# Altium PCB SmartHaloFF.PcbDoc (part 2 of 4) (continued)
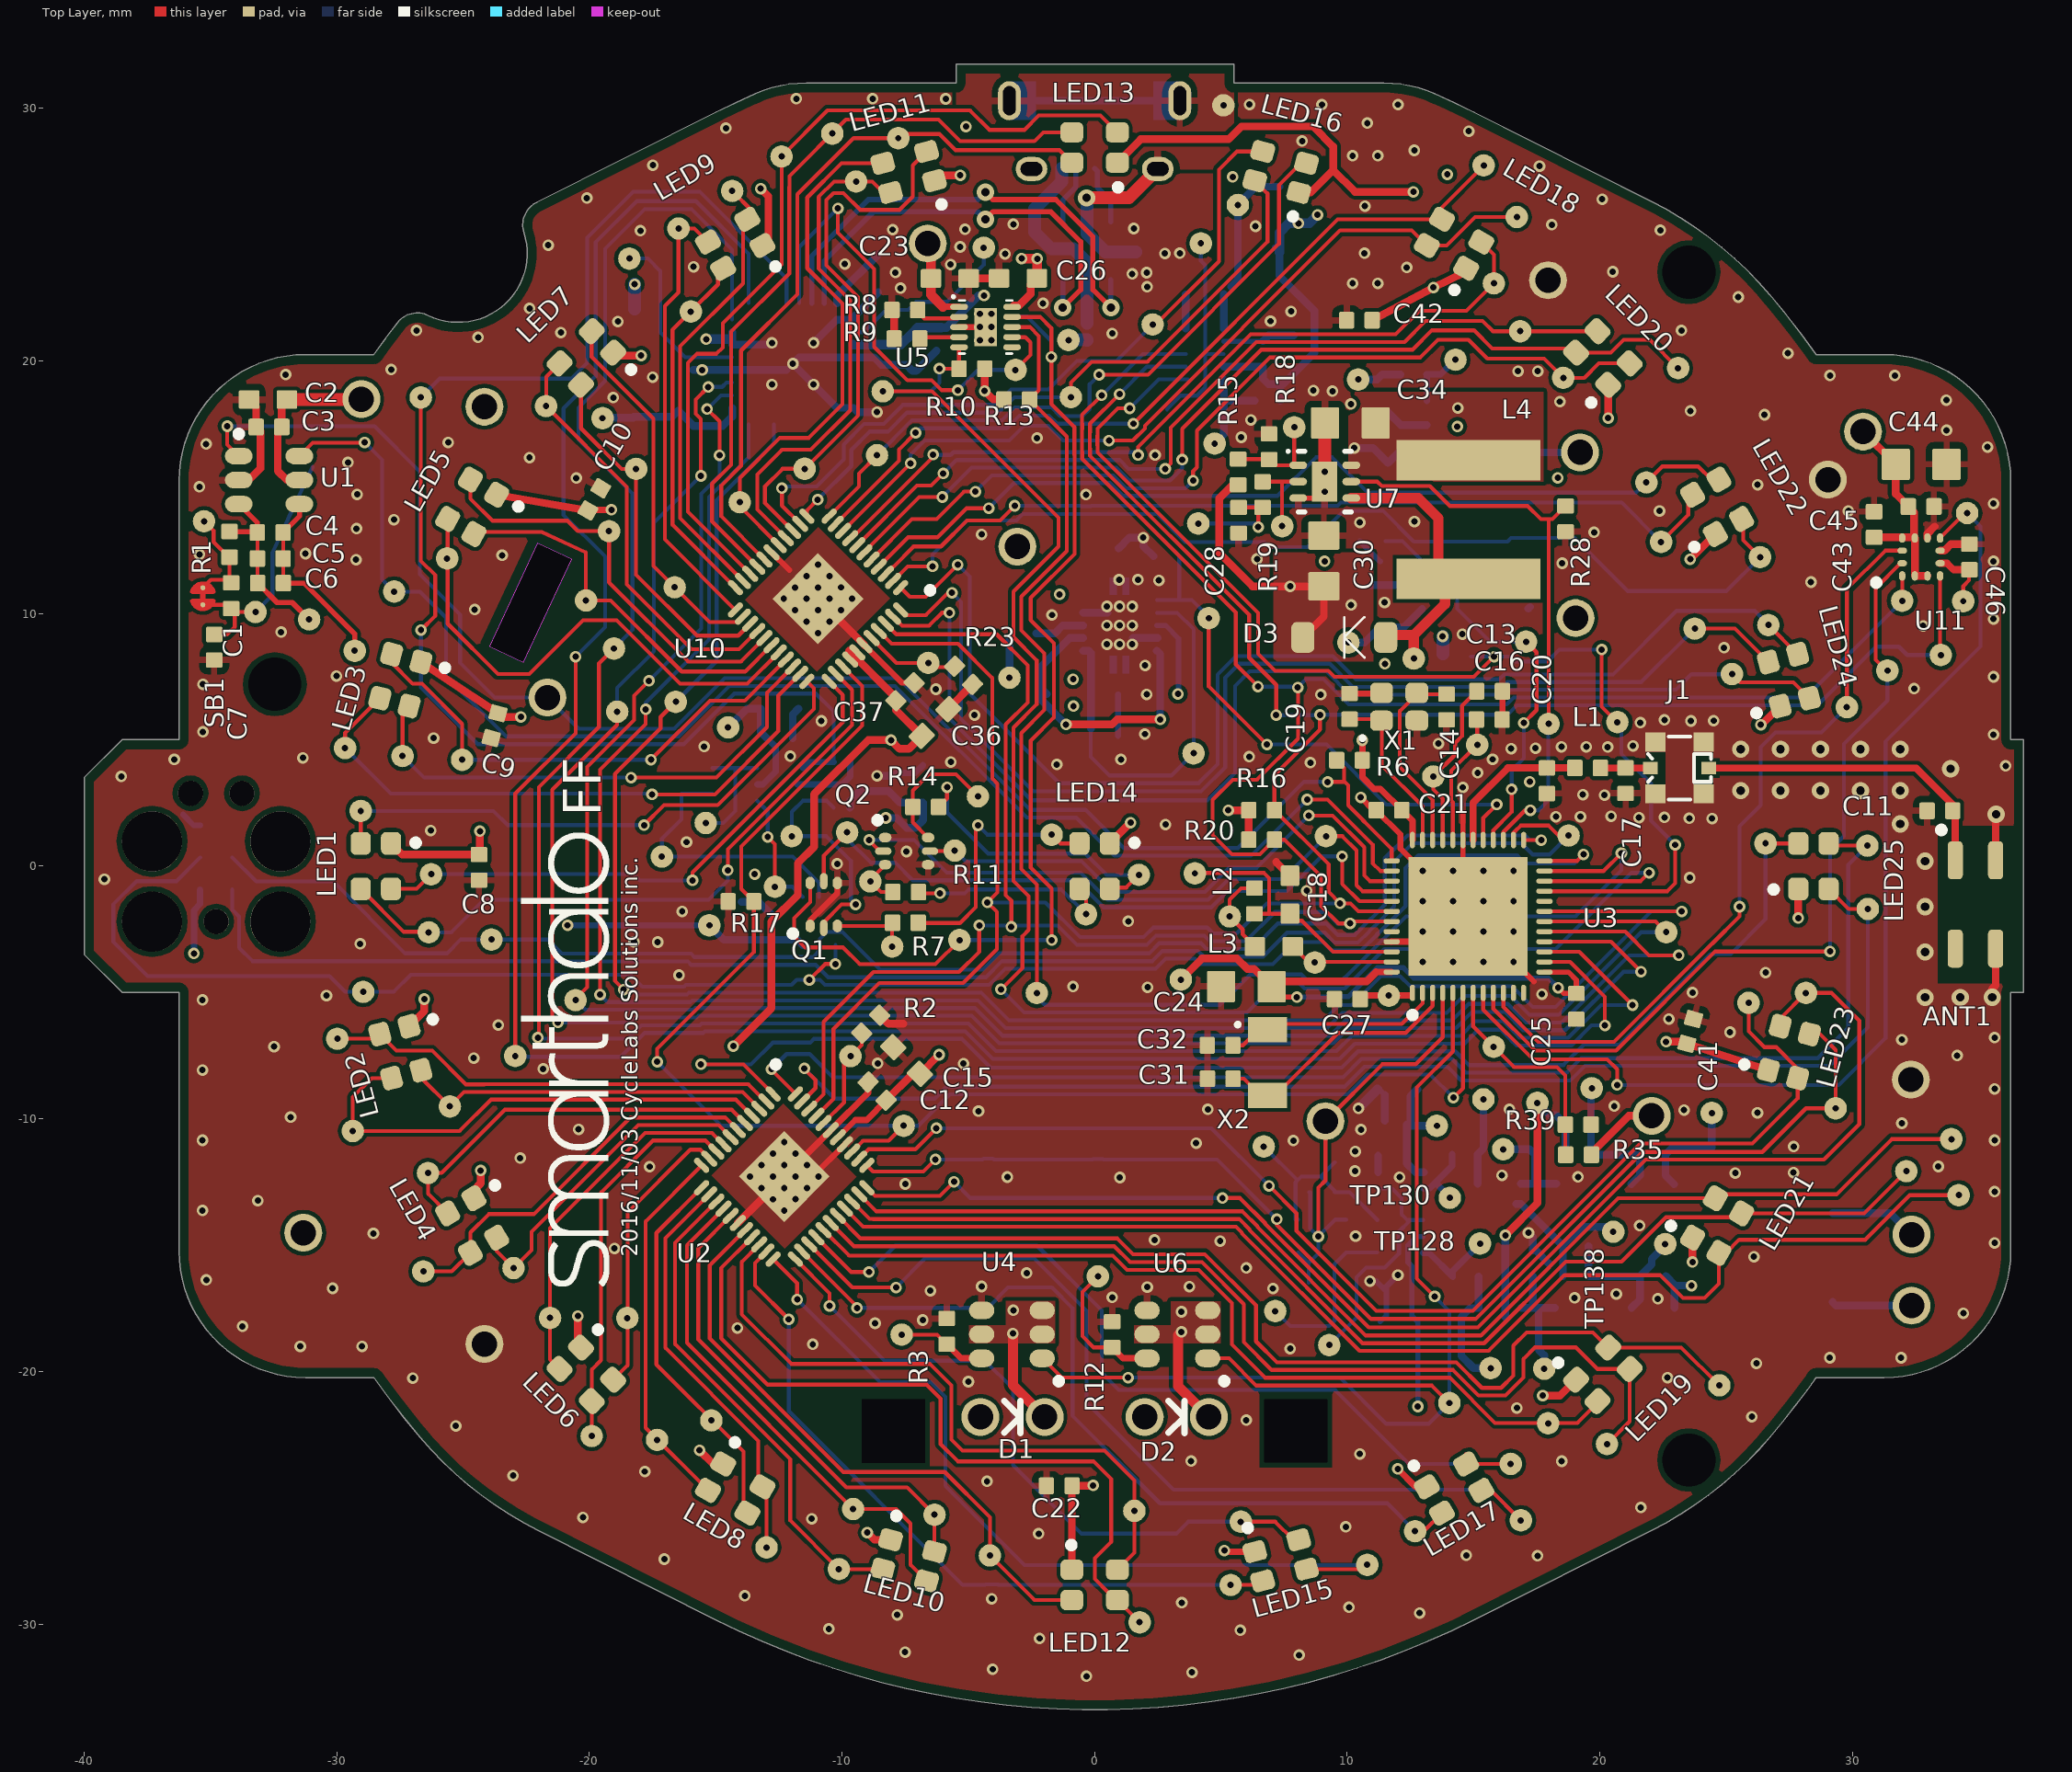
[diagram p0: Top Layer view]
## Nets (pads, with @x,y where several pads share a name; then routed paths per layer and width w, separated by ;. In a path a pad name is that pad's centre, name@x,y a point inside that pad or via, vN(x,y) a via of type N, cw(c..) or ccw(c..) an arc to the next point about the centre after c; other vN are vias at no path point) (continued)
  Top Layer w0.152: TP158.1@3.967,-0.284 3.983,-0.269 6.705,-0.269 6.911,-0.475 6.911,-1.887 L2.1@6.327,-1.887 ; 7,-1.887 7.455,-1.887 7.729,-2.162 8.209,-2.162 9.439,-3.391 U3.46@11.755,-3.391
EN_2_8V: R29.2 TP162.1 U3.28 U12.3 | length 17.4
  Top Layer w0.152: U3.28@15.78,1.034 15.78,1.419 16.505,2.144 v1(16.505,3.04) ; v1(16.988,5.674) 17.49,6.177 17.49,8.471 TP162.1@17.076,8.885
  Bottom Layer w0.152: R29.2@11.511,12.865 12.186,12.865 U12.3@12.968,12.083 13.792,12.083 14.348,11.527 14.348,10.195 15.659,8.885 TP162.1@17.076,8.885 ; v1(16.505,3.04) 16.695,3.04 16.505,2.85 16.505,3.795 16.988,4.277 v1(16.988,5.674)
EN_VLED: R31.2 TP160.1 U3.29 U15.6 | length 21.8
  Top Layer w0.152: TP160.1@4.516,9.817 4.516,7.117 v1(6.817,4.816) ; U3.29@15.38,1.034 15.38,1.906 v1(15.916,2.441)
  Bottom Layer w0.152: U15.6@2.463,10.53 3.854,10.53 TP160.1@4.542,9.842 ; 3.348,10.53 R31.2@3.348,12.263 ; v1(6.817,4.816) 9.177,4.816 11.552,2.441 v1(15.916,2.441)
FRONTLED: TP96.1 U3.5 U4.1 U6.1 | length 45.2
  Top Layer w0.152: U4.1@-2.071,-19.479 -1.304,-20.246 v1(1.326,-20.246) ; U6.1@4.475,-19.483 5.32,-19.483 6.401,-20.564 13.353,-20.564 TP96.1@14.041,-21.252 ; v1(13.459,-17.033) 12.748,-16.322 12.748,-8.76 14.18,-7.328 U3.5@14.18,-5.016
  Bottom Layer w0.152: v1(1.326,-20.246) 9.713,-20.246 11.537,-22.07 13.223,-22.07 TP96.1@14.041,-21.252 14.041,-17.615 v1(13.459,-17.033)
GND: ANT1.3 ANT1.4 C2.2 C3.2 C7.2 C8.2 C9.2 C10.2 C11.1 C12.2 C13.2 C14.2 C15.2 C16.2 C17.1 C18.2 C19.2 C20.1 C21.2 C22.2 C23.2 C24.2 C25.2 C26.2 C27.2 C28.2 C29.2 C30.2 C31.1 C32.1 C33.2 C34.2 C35.2 C36.2 C37.2 C38.2 C39.2 C40.2 C41.2 C42.2 C43.2 C44.2 C45.2 C46.2 C47.2 C48.2 C49.2 C50.2 C51.2 C52.2 C53.2 C54.2 C55.2 C56.2 C57.2 C58.2 C59.2 C60.2 C61.2 C64.1 C65.2 C66.2 C67.2 C68.2 C69.2 C70.2 C71.2 J1.2 J4.0 J6.0 J7.5 NT6.2 Q1.1 Q1.4 Q2.1 Q2.4 Q7.4 Q8.4 R2.2 R3.1 R8.2 R9.2 R12.1 R17.1 R18.1 R23.2 R28.2 R29.1 R31.1 R33.1 R34.1 R37.2 R39.1 R42.2 R43.1 RSENSE1.1 RT1.1 TP2.1 TP5.1 TP6.1 TP9.1 U1.2 U2.17 U2.37 U2.39 U2.45 U3.31 U3.45 U3.49 U4.4 U5.3 U5.11 U6.4 U7.3 U7.7 U8.2 U8.3 U9.2 U10.17 U10.39 U10.45 U11.6 U11.8 U12.2 U13.2 U14.5 U14.7 U15.4 U15.9 U15.11 U16.4 U16.6 U16.7 U16.17 U16.20 U16.24 U16.33 U18.2 U19.2 U20.3 X1.2 X1.4 | length 102.6
  Top Layer w0.203: C15.2@-8.25,-7.165 C15.2@-7.974,-7.165 ; v1(-4.543,21.341) U5.11@-4.318,21.341 ; U7.3@8.058,14.572 U7.7@8.666,14.572 ; U3.49@14.58,-1.791 U3.31@14.58,1.034 14.58,2.031
  Top Layer w0.229: U10.17@-12.788,12.423 -12.09,11.725 ; Q1.1@-11.259,-2.366 -11.259,-2.141 -10.183,-1.065 Q1.4@-10.183,-0.666 ; U2.45@-11.155,-12.286 U2.37@-9.882,-11.013 ; U10.39@-9.111,8.746 -7.626,7.261 C37.2@-7.149,7.261 ; U5.3@-5.368,21.341 v1(-4.543,21.341) ; C19.2@10.086,6.835 X1.4@11.328,6.835 ; v1(10.531,2.72) 11.036,2.215 C21.2@11.146,2.215 12.098,1.262 12.098,0.691 v1(12.98,-0.191) ; C16.2@16.139,5.814 C13.2@16.139,6.924 ; v1(16.58,-3.791) 16.611,-3.791 17.384,-4.565
  Top Layer w0.254: U2.45@-12.286,-12.286 U2.39@-10.448,-10.448 -8.969,-8.969 C12.2@-8.969,-8.548 C12.2@-8.969,-8.486 ; U3.45@11.755,-2.991 U3.49@13.78,-2.991
  Top Layer w0.305: U1.2@-33.878,15.285 -33.482,15.285 -33.023,15.743 -33.023,17.219 C3.2@-33.19,17.386 -33.19,18.191 C2.2@-33.47,18.471 ; U2.17@-14.124,-14.124 U2.45@-12.286,-12.286 ; U10.45@-10.95,10.584 U10.39@-9.111,8.746 ; R2.2@-8.505,-5.895 -8.16,-6.241 -7.577,-6.241 ; R9.2@-7.935,20.881 R8.2@-7.935,21.93 ; C36.2@-5.783,6.24 R23.2@-4.826,7.196 ; C23.2@-5.179,23.459 C23.2@-4.983,23.264 -3.79,23.264 C26.2@-3.782,23.271 ; U5.11@-4.318,21.341 U5.11@-4.173,21.486 ; C28.2@5.697,13.188 C28.2@5.799,13.086 ; 7.186,0.164 C18.2@7.732,-0.381 ; U11.8@32.965,12.99 32.965,13.165 33.249,13.449 ; U11.6@33.465,12.49 33.635,12.49 33.896,12.751 C46.2@34.623,12.751 ; v2(35.527,-5.194) 35.527,-4.862 35.664,-4.724 ANT1.3@35.664,-3.266 ; ANT1.4@35.664,0.234 v2@35.664,2.036
  Top Layer w0.508: U7.7@9.108,15.222 C34.2@9.108,17.534
  Bottom Layer w0.203: U14.7@5.108,20.773 C51.2@6.648,20.773 ; C29.2@11.199,-8.839 C29.2@11.272,-8.839 C29.2@11.481,-9.048 ; C40.2@11.298,-18.034 11.548,-17.784 C38.2@11.548,-16.834
  Bottom Layer w0.229: -36.083,2.042 -35.657,1.615 J7.5@-35.405,1.615 ; C55.2@0.932,5.159 C53.2@0.932,6.805 ; R29.1@10.495,12.865 11.298,12.062 ; v1(10.899,-16.424) 11.138,-16.424 C38.2@11.548,-16.834 11.548,-16.641 v1(12.004,-16.185)
  Bottom Layer w0.254: U19.2@-11.775,3.236 U19.2@-11.554,3.236 -9.987,3.236 -9.681,3.542 U18.2@-9.681,4.12 ; C65.2@-7.971,3.576 C65.2@-7.862,3.686 -7.113,3.686 C66.2@-6.79,4.008
  Bottom Layer w0.305: -15.894,19.641 U16.4@-14.348,19.641 U16.33@-12.198,19.641 ; U16.7@-14.348,21.141 U16.6@-14.348,20.641 U16.33@-12.698,20.641 ; C70.2@-13.974,-1.417 -13.289,-1.417 C69.2@-12.837,-1.869 ; C67.2@-11.948,5.057 -11.948,6.01 C68.2@-11.722,6.236 ; v1(-11.123,20.716) -10.203,21.636 -9.548,21.636 U16.17@-9.548,21.641 -9.548,21.729 C57.2@-8.562,22.715 ; v1(-8.611,3.576) C65.2@-7.971,3.576 ; v1(-8.611,17.973) -9.38,17.973 U16.24@-9.548,18.141 -9.548,18.146 -10.203,18.146 v1(-11.123,19.066) v1(-11.948,19.891) -11.698,20.141 U16.20@-9.548,20.141 -8.734,20.141 C58.2@-8.44,19.848 -7.452,19.848 C56.2@-7.214,19.609 -7.056,19.609 -6.256,20.409 ; U15.4@-0.462,10.03 U15.11@0.513,10.03 ; C54.2@0.95,12.578 1.377,13.005 v1(1.925,13.005) 1.925,12.67 R31.1@2.332,12.263 ; U15.11@1.513,9.03 U15.9@2.488,9.03 ; U14.5@3.608,21.273 RSENSE1.1@3.608,22.64 ; C51.2@6.665,20.79 6.881,21.006 C50.2@7.884,21.006 ; C48.2@10.937,11.107 10.963,11.133 U12.2@12.968,11.133 ; U8.2@11.222,-12.112 U8.3@11.222,-11.465 ; C33.2@11.481,-10.079 C29.2@11.481,-9.048 ; C52.2@11.612,17.966 12.113,17.466 U13.2@13.148,17.466 ; v1(17.172,-14.514) 17.343,-14.685 R42.2@17.343,-15.217 ; R42.2@17.412,-15.154 17.998,-15.74
  Bottom Layer w0.381: v1(-15.377,20.864) -14.389,20.864 ; v1(10.444,-9.594) C29.2@11.199,-8.839
  other v1: -0.323,-32.07 3.856,-31.915 -4.036,-31.791 8.095,-31.234 -7.501,-31.11 -2.177,-30.571 5.763,-30.249 -10.521,-30.193 -7.816,-29.639 12.86,-29.563 10.066,-29.337 3.449,-29.157 -4.074,-29.004 -13.846,-28.882 -17.031,-27.432 17.531,-27.302 14.712,-27.28 -2.215,-26.429 9.944,-26.152 -11.199,-25.834 -20.254,-25.778 21.615,-25.385 -4.26,-24.354 -23.017,-24.127 -17.805,-23.965 3.818,-23.553 18.486,-23.556 10.495,-23.269 -25.288,-22.159 6.005,-21.928 26.01,-21.796 16.713,-21.448 -4.996,-20.406 -26.985,-20.269 22.677,-20.244 26.198,-19.68 29.098,-19.459 31.92,-19.459 7.737,-19.103 -31.443,-19.009 -28.999,-19.009 -11.158,-18.931 -14.14,-18.283 -33.731,-18.217 -8.692,-18.095 -6.807,-17.968 34.384,-17.696 22.291,-17.122 18.994,-17.087 0.699,-17.071 20.648,-16.937 -6.5,-16.807 -30.162,-16.711 7.056,-16.721 2.083,-16.665 -4.473,-16.64 3.754,-16.645 -35.161,-16.375 -2.69,-16.104 5.999,-15.903 26.093,-15.461 -19.004,-15.136 35.626,-14.915 4.968,-14.844 2.367,-14.795 10.328,-14.646 -28.55,-14.544 21.575,-14.229 -35.319,-13.631 -12.286,-13.641 -33.119,-13.244 -12.738,-13.189 -11.834,-13.189 35.626,-12.883 -11.383,-12.738 -13.189,-12.738 -12.286,-12.737 -7.496,-12.581 -3.457,-12.306 0.996,-12.324 12.07,-12.311 -13.641,-12.286 -12.737,-12.286 -11.835,-12.286 -10.931,-12.286 19.136,-12.304 16.124,-12.24 25.359,-12.151 27.658,-12.131 10.305,-12.07 -17.617,-11.897 33.396,-11.887 -13.189,-11.834 -12.286,-11.835 -11.383,-11.834 -22.741,-11.554 -12.738,-11.383 -11.834,-11.383 10.317,-11.29 27.666,-11.102 4.016,-10.965 -12.286,-10.931 7.864,-10.866 -35.319,-10.851 35.626,-10.851 10.538,-10.429 -20.429,-10.417 31.951,-10.176 -31.826,-9.934 26.236,-9.761 -4.597,-9.7 23.332,-9.652 4.483,-9.627 16.424,-9.624 20.566,-9.502 35.626,-8.819 -35.319,-8.071 -21.829,-8.021 -5.189,-7.816 -8.588,-7.805 -24.577,-7.597 34.143,-7.493 -32.482,-7.142 31.951,-6.868 35.626,-6.787 25.149,-6.574 -23.607,-6.292 22.728,-6.053 -35.319,-5.291 -30.406,-5.126 17.706,-5.065 23.665,-5.001 2.098,-4.798 -0.856,-4.765 -16.447,-4.315 26.558,-4.211 12.98,-3.791 14.18,-3.791 15.38,-3.791 -29.073,-3.073 -18.232,-2.995 -17.295,-3.005 12.98,-2.591 14.18,-2.591 15.38,-2.591 16.58,-2.591 1.333,-2.184 -16.327,-1.791 12.98,-1.391 14.18,-1.391 15.38,-1.391 16.58,-1.391 8.395,-0.97 -39.197,-0.518 23.556,-0.457 -13.454,-0.318 14.18,-0.191 15.38,-0.191 16.58,-0.191 -10.185,0.094 -7.45,0.579 -16.154,0.953 -26.276,1.415 2.804,1.646 24.44,1.882 23.539,1.895 21.545,1.925 22.558,1.928 18.263,1.958 19.228,1.956 20.447,1.979 19.322,2.832 20.183,2.814 14.577,3.119 17.224,3.343 -38.532,3.548 15.161,3.698 36.058,3.967 -1.494,4.026 8.539,4.094 -5.69,4.127 -36.431,4.227 1.039,4.224 15.753,4.229 -31.339,4.285 -12.047,4.348 6.116,4.333 16.482,4.651 17.45,4.669 -15.458,4.732 18.479,4.722 19.459,4.724 20.31,4.714 21.306,4.76 13.609,4.849 -26.165,5.07 35.58,5.21 1.989,5.23 -35.293,5.314 21.598,5.685 -10.815,5.748 23.599,5.748 24.501,5.758 22.558,5.794 -4.757,5.982 8.948,6.789 2.06,6.797 -6.284,7.005 32.436,7.026 -35.293,7.198 35.58,7.496 -30.013,7.531 1.994,7.943 11.491,8.009 24.915,8.649 0.488,8.78 0.988,8.78 1.488,8.78 14.557,9.185 -10.95,9.229 -32.2,9.263 32.794,9.51 0.488,9.53 0.988,9.53 1.488,9.53 -11.402,9.681 -10.498,9.681 35.58,9.783 -1.689,9.944 -11.853,10.132 -10.95,10.133 -10.047,10.132 -24.536,10.16 0.488,10.28 0.988,10.28 1.488,10.28 11.476,10.437 -12.305,10.584 -11.401,10.584 -10.499,10.584 -9.595,10.584 -11.853,11.036 -10.95,11.035 -10.047,11.036 28.349,11.245 2.543,11.311 0.965,11.336 1.717,11.341 -11.402,11.487 -10.498,11.487 -10.95,11.939 18.509,11.991 9.103,12.068 35.58,12.069 -29.238,12.131 6.426,12.156 -23.452,12.306 -35.433,12.342 -31.237,12.373 -4.473,13.137 19.769,13.218 -29.22,13.36 10.5,13.604 12.659,13.642 -27.737,13.719 22.36,14.064 29.837,14.064 35.58,14.356 -29.19,14.719 -0.34,14.709 9.108,14.822 -35.433,15.016 26.241,15.1 -20.521,15.364 9.108,15.622 -29.555,15.98 -22.37,16.175 2.393,16.276 35.342,16.591 -35.166,16.713 -25.588,16.777 -2.283,16.944 5.804,16.98 33.724,17.257 14.356,17.402 6.185,17.668 26.518,17.871 23.584,18.024 10.145,18.293 18.412,18.39 33.713,18.445 -19.05,18.547 9.416,18.801 8.656,18.829 -12.773,19.066 -17.493,19.36 29.106,19.421 31.676,19.421 -32.019,19.459 16.761,19.596 17.541,19.596 -15.535,19.642 -27.843,19.657 27.44,20.307 -12.773,20.716 -4.543,20.816 -4.093,20.816 -24.402,20.935 0.693,21.087 -21.128,21.128 -26.84,21.209 23.228,21.209 -4.093,21.341 -18.875,21.562 6.962,21.575 -4.543,21.866 -4.093,21.866 7.777,21.961 -22.367,22.083 -2.045,22.281 25.476,22.53 -7.689,22.878 2.08,22.934 10.21,23.075 11.21,23.075 1.488,23.442 -7.889,23.503 2.06,23.495 20.508,23.531 12.357,23.698 -15.878,23.724 -9.886,23.835 -5.705,23.82 -3.548,24.239 2.779,24.257 3.373,24.265 10.678,24.262 -5.324,24.514 -21.626,24.58 -17.981,25.154 22.388,25.171 -7.993,25.197 -5.126,25.212 1.554,25.243 6.363,25.334 -3.218,25.41 18.095,25.395 10.701,26.129 20.091,26.406 -20.102,26.449 5.461,27.287 17.61,27.714 -17.485,27.749 10.21,28.125 11.21,28.125 12.654,28.336 8.209,28.705 14.811,29.096 -14.597,29.215 -5.093,29.279 10.792,29.416 6.126,30.15 8.994,30.147 12.012,30.147 -11.806,30.378 -8.788,30.378 -5.89,30.376
  other v2: 32.872,-5.197 34.266,-5.197 32.872,-3.398 32.872,-1.6 32.872,0.199 31.888,1.676 35.68,2.052 25.571,2.992 27.15,2.992 28.729,2.992 30.308,2.992 31.888,2.992 33.88,3.852 25.571,4.63 27.15,4.63 28.729,4.63 30.308,4.63 31.888,4.63
INT_1_XL: TP64.1 U3.9 U11.12 | length 33.3
  Top Layer w0.152: U3.9@15.78,-5.016 15.78,-5.643 17.44,-7.302 20.64,-7.302 24.567,-3.376 v1(29.108,-3.376) ; TP64.1@31.36,7.723 30.912,8.171 30.912,11 31.902,11.99 U11.12@31.965,11.99
  Bottom Layer w0.152: v1(29.108,-3.376) 29.108,0.64 29.657,1.189 29.657,4.834 31.379,6.556 TP64.1@31.379,7.742
INT_2_XL: TP65.1 U3.10 U11.11 | length 31.1
  Top Layer w0.152: U3.10@16.18,-5.016 16.18,-5.574 17.558,-6.952 20.56,-6.952 24.441,-3.071 24.445,-3.071 25.527,-1.989 v1(25.527,-1.605) ; TP65.1@29.774,6.294 29.774,10.97 31.294,12.49 U11.11@31.965,12.49
  Bottom Layer w0.152: v1(25.527,-1.605) 25.527,1.575 26.363,2.41 26.363,4.712 26.942,5.291 28.771,5.291 TP65.1@29.774,6.294
INT_MAG: TP75.1 U3.8 U11.7 | length 43
  Top Layer w0.152: U3.8@15.38,-5.016 15.38,-5.675 17.348,-7.643 20.284,-7.643 20.681,-8.039 v1(20.681,-8.661) ; U11.7@33.465,12.99 34.452,13.978 TP75.1@34.536,13.978
  Bottom Layer w0.152: v1(20.681,-8.661) 29.451,-8.661 31.303,-6.81 31.303,4.93 35.065,8.692 35.065,13.449 TP75.1@34.536,13.978
ISET: R8.1 U5.2 | length 1.8
  Top Layer w0.152: R8.1@-7.042,21.98 -6.747,21.685 -5.424,21.685 U5.2@-5.368,21.741
NetC1_2: C1.2 R1.2 SB1.1 TP141.1 | length 3.9
  Top Layer w0.152: SB1.1@-35.301,11.021 -34.983,11.339 -34.244,11.339 R1.2@-34.244,12.23 -34.267,12.23 -34.877,12.84 -34.877,13.279 TP141.1@-35.25,13.652
NetC20_2: C20.2 L1.1 U3.30 | length 6.1
  Top Layer w0.285: U3.30@14.98,1.034 14.98,2.511 16.358,3.889 L1.1@19.007,3.889
NetC28_1: C28.1 R19.2 TP166.1 | length 4.2
  Top Layer w0.152: C28.1@5.697,14.204 R19.2@6.645,14.204 ; v1(6.477,13.426) R19.2@6.477,14.191 ; R19.2@6.647,14.201 R19.2@6.68,14.201
  Bottom Layer w0.152: TP166.1@4.102,13.564 6.34,13.564 v1(6.477,13.426)
NetC35_1: C35.1 D4.3 R24.1 TP126.1 U9.3 | length 8.3
  Bottom Layer w0.152: TP126.1@6.693,-11.097 8.032,-12.436 ; D4.3@8.055,-13.992 7.953,-13.992 7.953,-12.516 8.032,-12.436 ; C35.1@9.499,-11.73 8.941,-12.289 ; R24.1@9.502,-12.903 10.087,-12.903 U9.3@11.192,-14.009 ; R24.1@9.502,-12.85 8.941,-12.289 ; 8.032,-12.436 8.18,-12.289 8.941,-12.289
NetC39_1: C39.1 D4.5 R27.1 TP127.1 U9.1 | length 6.8
  Bottom Layer w0.152: TP127.1@7.148,-17.615 7.739,-18.207 9.284,-18.207 9.502,-17.988 C39.1@9.502,-17.526 ; C39.1@9.49,-17.514 R27.1@9.49,-16.491 9.49,-15.756 D4.5@9.955,-15.292 U9.1@11.18,-15.292
NetC46_1: C46.1 TP76.1 U11.5 | length 2.6
  Top Layer w0.152: TP76.1@34.381,10.49 34.381,11.082 34.613,11.313 34.613,11.725 C46.1@34.623,11.735
  Top Layer w0.279: U11.5@33.465,11.99 33.75,11.99 34.006,11.735 C46.1@34.623,11.735
NetC61_1: C61.1 R38.2 TP169.1 U14.10 | length 3.9
  Bottom Layer w0.305: TP169.1@4.75,16.728 5.108,17.087 C61.1@5.108,18.047 U14.10@5.108,19.273 ; 5.174,18.428 R38.2@6.342,18.428
NetC62_1: C62.1 Q5.1 Q5.2 Q5.5 Q5.6 R22.1 TP138.1 | length 6.1
  Bottom Layer w0.305: 16.683,-13.378 16.878,-13.378 C62.1@18.537,-15.037 ; R22.1@18.537,-16.233 C62.1@18.537,-15.037 ; TP138.1@20.528,-14.473 20.34,-14.285 19.256,-14.285 18.537,-15.004 C62.1@18.537,-15.037
NetC62_2: C62.2 Q3.3 R5.1 R22.2 TP134.1 | length 6.3
  Bottom Layer w0.152: R22.2@19.553,-16.233 R22.2@19.558,-16.238
  Bottom Layer w0.305: R22.2@19.553,-16.233 C62.2@19.553,-15.037 ; R22.2@19.558,-16.238 R5.1@21.59,-16.238 ; Q3.3@21.248,-17.486 21.59,-17.144 R5.1@21.59,-16.238 ; TP134.1@22.583,-14.961 22.583,-15.019 22.05,-15.552 22.05,-15.766 21.59,-16.226 R5.1@21.59,-16.238
NetC63_1: C63.1 Q6.1 Q6.2 Q6.5 Q6.6 R25.1 TP132.1 | length 11.7
  Top Layer w0.305: v1(16.256,-14.61) 17.534,-13.332 TP132.1@17.534,-9.37
  Bottom Layer w0.305: 16.256,-17.859 v1(16.256,-14.61) ; TP132.1@17.523,-9.37 18.01,-9.856 18.256,-9.856 C63.1@18.633,-10.234 R25.1@18.633,-11.42
NetC63_2: C63.2 Q4.3 R21.1 R25.2 TP135.1 | length 5.9
  Bottom Layer w0.305: C63.2@19.647,-10.236 R25.2@19.647,-11.422 R21.1@21.58,-11.422 21.58,-12.249 Q4.3@21.238,-12.591 ; C63.2@19.649,-10.234 19.649,-8.819 TP135.1@19.677,-8.791
NetC64_2: C64.2 R26.1 TP154.1 U20.2 | length 11.2
  Bottom Layer w0.152: R26.1@-15.131,2.863 C64.2@-16.358,2.863 -16.358,1.857 -17.13,1.085 TP154.1@-17.13,0.378 -11.951,0.378 -10.908,-0.664 U20.2@-10.908,-1.222
NetD1_2: D1.2 U4.2 U4.3 U4.5 | length 3.8
  Top Layer w0.406: v1(-3.236,-18.496) -3.236,-20.547 D1.2@-1.98,-21.803
  other v1: -3.216,-17.579
NetD2_2: D2.2 U6.2 U6.3 U6.5 | length 3.7
  Top Layer w0.406: v1@3.299,-18.572 3.299,-20.582 D2.2@4.52,-21.803
  other v1: 3.434,-18.438 3.434,-17.64
NetD3_2: D3.2 L4.2 TP172.1 U7.4 | length 12.1
  Top Layer w0.406: U7.4@10.158,14.57 12.812,14.57 13.609,13.772 L4.2@13.609,11.61 ; D3.2@11.519,9.073 11.598,9.152 12.647,9.152 13.866,10.371 13.866,11.402 L4.2@13.47,11.402 ; TP172.1@12.631,8.219 12.631,9.136 ; L4.2@12.67,11.613 12.881,11.402 L4.2@13.47,11.402 ; L4.2@13.495,11.376 L4.2@13.47,11.402
NetJ4_1: J4.1 RSENSE1.2 TP173.1 U14.6 | length 6.7
  Bottom Layer w0.305: U14.6@5.108,21.273 RSENSE1.2@5.108,22.644 ; RSENSE1.2@5.41,22.946 5.669,23.205 5.669,26.185 6.384,26.9 J4.1@7.31,26.9
NetL2_2: L2.2 L3.1 TP159.1 | length 3.4
  Top Layer w0.152: L2.2@6.327,-0.871 5.796,-0.871 5.344,-1.323 TP159.1@5.344,-1.991 5.86,-2.507 5.86,-2.698 L3.1@6.342,-3.18
NetL3_2: L3.2 TP168.1 U3.47 | length 4.2
  Top Layer w0.152: L3.2@7.841,-3.18 8.452,-3.791 8.712,-3.791 U3.47@11.755,-3.791
NetL5_2: L5.2 TP174.1 U15.3 | length 3.5
  Bottom Layer w0.305: TP174.1@-3.373,7.46 L5.2@-3.373,9.007 ; L5.2@-2.307,9.214 -1.583,9.214 -1.267,9.53 U15.3@-0.462,9.53
NetQ1_3: Q1.3 R7.1 TP112.1 | length 3
  Top Layer w0.152: Q1.3@-10.183,-2.366 R7.1@-8.127,-2.366 ; TP112.1@-8.016,-3.185 R7.1@-8.016,-2.256
NetQ2_3: Q2.3 R11.1 TP113.1 | length 2
  Top Layer w0.152: Q2.3@-8.292,0.056 -8.877,-0.529 TP113.1@-8.877,-0.605 -8.456,-1.026 R11.1@-7.991,-1.026
NetQ2_6: Q2.6 R14.1 TP110.1 | length 5.3
  Top Layer w0.152: Q2.6@-6.592,1.132 -7.196,1.736 R14.1@-7.196,2.342 -7.196,2.992 -6.556,3.632 -5.486,3.632 TP110.1@-4.618,2.764
NetQ5_3: Q5.3 R40.1 TP137.1 | length 3.4
  Bottom Layer w0.305: Q5.3@15.165,-12.571 R40.1@15.164,-11.402 15.387,-11.179 TP137.1@15.387,-9.23
NetQ5_4: Q5.4 Q8.3 R43.2 TP136.1 | length 3.9
  Bottom Layer w0.305: TP136.1@16.172,-11.206 17.216,-11.206 R43.2@17.429,-11.42 17.429,-12.543 ; Q5.4@16.865,-12.571 Q8.3@18.271,-12.571
NetQ6_3: Q6.3 R41.1 TP131.1 | length 5
  Bottom Layer w0.305: Q6.3@15.188,-17.493 14.864,-17.493 14.514,-17.843 14.514,-19.388 14.996,-19.87 TP131.1@15.672,-19.87 ; Q6.3@15.194,-17.487 R41.1@15.194,-16.248
NetQ6_4: Q6.4 Q7.3 R42.1 TP133.1 | length 5.1
  Bottom Layer w0.305: Q6.4@16.893,-17.488 17.574,-17.488 ; 17.343,-17.471 R42.1@17.343,-16.233 ; TP133.1@17.795,-19.896 17.795,-19.362 17.574,-19.141 17.574,-17.488 ; Q7.3@18.215,-17.488 17.574,-17.488
NetR2_1: R2.1 TP157.1 U2.40 | length 4.2
  Top Layer w0.152: U2.40@-10.73,-10.165 -9.921,-9.356 -9.921,-7.78 TP157.1@-9.662,-7.521 -9.224,-7.083 R2.1@-9.224,-6.614
NetR3_2: R3.2 TP97.1 U4.6 | length 3.6
  Top Layer w0.152: TP97.1@-7.638,-18.545 -6.233,-18.545 R3.2@-5.858,-18.92
  Top Layer w0.254: R3.2@-5.858,-18.92 -5.295,-19.483 U4.6@-4.475,-19.483
NetR4_1: R4.1 TP175.1 U13.3 | length 2.4
  Bottom Layer w0.254: R4.1@13.129,19.469 13.701,19.469 TP175.1@14.282,20.051 ; U13.3@13.148,18.416 R4.1@13.148,19.45
NetR12_2: R12.2 TP98.1 U6.6 | length 5.5
  Top Layer w0.152: TP98.1@0.13,-16.238 -0.488,-16.855 -0.488,-18.605 -0.042,-19.051 R12.2@0.692,-19.051
  Top Layer w0.254: R12.2@0.692,-19.051 1.123,-19.483 U6.6@2.075,-19.483
NetR15_1: R15.1 R18.2 TP179.1 U7.1 | length 4
  Top Layer w0.152: R15.1@5.679,16.111 6.645,16.111 6.884,15.872 U7.1@8.058,15.872 ; U7.1@7.899,15.867 TP179.1@7.899,17.376
NetR19_1: R19.1 TP170.1 U7.2 | length 3.2
  Top Layer w0.152: R19.1@6.645,15.298 R19.1@6.647,15.298 ; R19.1@6.647,15.222 U7.2@8.058,15.222 ; TP170.1@7.422,13.459 7.422,15.222
NetR23_1: R23.1 TP156.1 U10.40 | length 3.8
  Top Layer w0.152: U10.40@-8.829,9.029 -7.844,8.044 TP156.1@-6.586,8.044 -6.421,7.879 R23.1@-5.545,7.879
NetR26_2: R26.2 TP153.1 U19.6 | length 4.8
  Bottom Layer w0.152: TP153.1@-15.392,1.709 -14.704,1.709 -14.229,2.184 -14.229,3.884 ; R26.2@-15.126,3.884 -14.229,3.884 ; U19.6@-13.358,3.884 -14.229,3.884
NetR34_2: R34.2 TP177.1 U14.8 | length 8.4
  Bottom Layer w0.152: R34.2@2.87,18.082 3.416,18.628 4.056,18.628 4.381,18.953 4.381,23.795 4.204,23.973 TP177.1@4.204,24.656 ; 4.381,20.241 4.413,20.273 U14.8@5.108,20.273
NetTP129_1: TP129.1 U8.1 U9.4 | length 9.4
  Bottom Layer w0.152: TP129.1@9.286,-18.956 10.366,-17.877 10.366,-16.276 10.747,-15.895 11.486,-15.895 12.047,-15.334 12.047,-14.463 12.438,-14.072 12.154,-13.787 12.154,-13.137 11.777,-12.76 U8.1@11.222,-12.76 ; 12.375,-14.009 U9.4@12.996,-14.009
NetTP155_1: TP155.1 U19.4 U20.1 | length 5
  Top Layer w0.152: v1(-12.941,1.156) -12.654,0.869 TP155.1@-12.654,-0.815
  Bottom Layer w0.152: U19.4@-13.358,2.588 -12.941,2.172 v1(-12.941,1.156) ; TP155.1@-12.654,-0.815 -11.965,-0.815 U20.1@-11.558,-1.222
OUT1: LED25.2 TP56.1 U2.43 | length 52.5
  Top Layer w0.152: U2.43@-11.579,-9.316 -11.049,-8.786 -11.049,-8.466 -11.488,-8.027 v1(-11.488,-8.009) ; LED25.2@29.05,-0.9 29.846,-1.694 TP56.1@30.604,-1.694
  Bottom Layer w0.152: v1(-11.488,-8.009) -10.295,-9.202 -6.332,-9.202 -5.86,-8.73 9.889,-8.73 10.682,-7.937 13.962,-7.937 14.505,-8.481 18.829,-8.481 19.406,-7.904 29.083,-7.904 30.604,-6.383 TP56.1@30.604,-1.694
OUT2: LED25.3 TP57.1 U2.44 | length 54.9
  Top Layer w0.152: v1(-12.791,-8.034) -12.791,-8.068 U2.44@-11.844,-9.016 ; LED25.3@29.137,0.813 TP57.1@30.587,0.813
  Bottom Layer w0.152: v1(-12.791,-8.034) -12.195,-7.437 -11.283,-7.437 -10.363,-8.357 9.832,-8.357 10.555,-7.633 14.143,-7.633 14.686,-8.176 18.689,-8.176 19.265,-7.6 28.628,-7.6 29.83,-6.398 29.83,0.056 TP57.1@30.587,0.813
OUT3: LED25.4 TP58.1 U2.1 | length 53.6
  Top Layer w0.152: v1(-15.588,-7.844) -13.9,-7.844 U2.1@-12.728,-9.016 ; TP58.1@26.555,0.9 LED25.4@27.85,0.9
  Bottom Layer w0.152: v1(-15.588,-7.844) -13.602,-7.844 -12.743,-6.985 -11.257,-6.985 -11.11,-6.838 -5.248,-6.838 -4.112,-7.973 9.784,-7.973 10.429,-7.328 14.269,-7.328 14.813,-7.871 18.562,-7.871 19.365,-7.069 20.777,-7.069 24.369,-3.477 25.177,-3.477 26.555,-2.1 TP58.1@26.555,0.9
OUT4: LED2.2 TP23.1 U2.2 | length 17.9
  Top Layer w0.152: TP23.1@-29.977,-6.833 LED2.2@-28.476,-6.833 ; LED2.2@-28.293,-6.65 -27.638,-7.305 -26.22,-7.305 -24.887,-8.639 -24.154,-8.639 -24.146,-8.631 -13.708,-8.631 -13.023,-9.316 U2.2@-12.993,-9.316
OUT5: LED2.4 TP25.1 U2.3 | length 14.7
  Top Layer w0.152: LED2.4@-26.669,-8.078 -26.669,-8.366 TP25.1@-25.524,-9.51 -24.958,-8.943 -24.028,-8.943 -24.02,-8.936 -13.939,-8.936 U2.3@-13.276,-9.599
OUT6: LED2.3 TP24.1 U2.4 | length 19.8
  Top Layer w0.152: LED2.3@-27.828,-8.389 -28.615,-8.389 -29.365,-9.139 TP24.1@-29.365,-10.485 -25.138,-10.485 -23.894,-9.241 -14.2,-9.241 U2.4@-13.559,-9.882
OUT7: LED4.2 TP26.1 U2.5 | length 15.7
  Top Layer w0.152: LED4.2@-25.609,-13.746 -26.386,-12.969 TP26.1@-26.386,-12.146 -25.847,-12.146 -23.343,-9.642 -14.364,-9.642 U2.5@-13.842,-10.165
OUT8: LED4.3 TP27.1 U2.6 | length 15.6
  Top Layer w0.152: TP27.1@-26.571,-16.04 -25.444,-16.04 LED4.3@-24.709,-15.304 -24.709,-14.5 -23.983,-13.774 -22.195,-13.774 -18.367,-9.947 -14.625,-9.947 U2.6@-14.124,-10.448
OUT9: LED4.4 TP28.1 U2.7 | length 13
  Top Layer w0.152: LED4.4@-23.669,-14.704 -23.669,-15.241 TP28.1@-23,-15.911 -22.288,-15.199 -22.288,-14.47 -18.07,-10.251 -14.886,-10.251 U2.7@-14.407,-10.73
OUT10: LED6.2 TP29.1 U2.8 | length 14.4
  Top Layer w0.152: LED6.2@-21.179,-19.905 -21.557,-19.527 -21.557,-14.323 -17.79,-10.556 -15.147,-10.556 U2.8@-14.69,-11.013
OUT11: LED6.3 TP30.1 U2.9 | length 15.4
  Top Layer w0.152: TP30.1@-19.906,-22.558 LED6.3@-19.906,-21.178 -19.906,-19.926 -19.54,-19.561 -19.54,-12.918 -17.483,-10.861 -15.408,-10.861 U2.9@-14.973,-11.296
OUT12: LED6.4 TP31.1 U2.10 | length 11.3
  Top Layer w0.152: LED6.4@-19.057,-20.329 -18.486,-19.758 -18.486,-13.708 -16.002,-11.224 -15.61,-11.224 U2.10@-15.256,-11.579
OUT13: LED8.2 TP32.1 U2.11 | length 14.8
  Top Layer w0.152: U2.11@-15.556,-11.844 -17.777,-14.065 -17.777,-22.236 LED8.2@-15.304,-24.709
OUT14: LED8.3 TP33.1 U2.12 | length 15.1
  Top Layer w0.152: U2.12@-15.556,-12.728 -17.348,-14.52 -17.348,-19.726 -13.9,-23.174 -13.9,-25.454 LED8.3@-13.746,-25.609
OUT15: LED8.4 TP34.1 U2.13 | length 16.4
  Top Layer w0.152: U2.13@-15.256,-12.993 -16.995,-14.732 -16.995,-19.065 -13.31,-22.751 -13.31,-24.405 LED8.4@-13.146,-24.569 -12.987,-24.728 TP34.1@-12.987,-26.97
OUT16: LED10.2 TP35.1 U2.14 | length 19.6
  Top Layer w0.152: U2.14@-14.973,-13.276 -16.607,-14.909 -16.607,-18.92 -12.047,-23.48 -12.047,-25.906 TP35.1@-10.125,-27.828 LED10.2@-8.389,-27.828
OUT17: LED10.3 TP36.1 U2.15 | length 20.3
  Top Layer w0.152: U2.15@-14.69,-13.559 -16.139,-15.008 -16.139,-18.87 TP36.1@-9.561,-25.448 -7.859,-25.448 -7.287,-26.02 -7.287,-27.656 LED10.3@-6.65,-28.293
OUT18: LED10.4 TP37.1 U2.16 | length 19.1
  Top Layer w0.152: U2.16@-14.407,-13.842 -15.69,-15.124 -15.69,-18.73 -9.83,-24.59 -7.424,-24.59 TP37.1@-6.339,-25.675 LED10.4@-6.339,-27.134
OUT19: LED12.2 TP38.1 U2.18 | length 24.4
  Top Layer w0.152: U2.18@-13.842,-14.407 -15.235,-15.801 -15.235,-18.699 -9.952,-23.983 -5.936,-23.983 -4.145,-25.773 TP38.1@-4.145,-27.287 -2.383,-29.05 LED12.2@-0.9,-29.05